# Altium PCB 20bit_40MS_ADC_DIOT_iso.PcbDoc (part 1 of 3)
Units mm, origin at the board's own origin, x right, y up, seen from the top; angles counter-clockwise.
Board outline 222.37 x 100 mm, 2 copper layers (Top Layer, Bottom Layer); 563 components, 368 nets, 2039 pads, 82 vias.
Unrouted connection lines stored in the file: 1435.
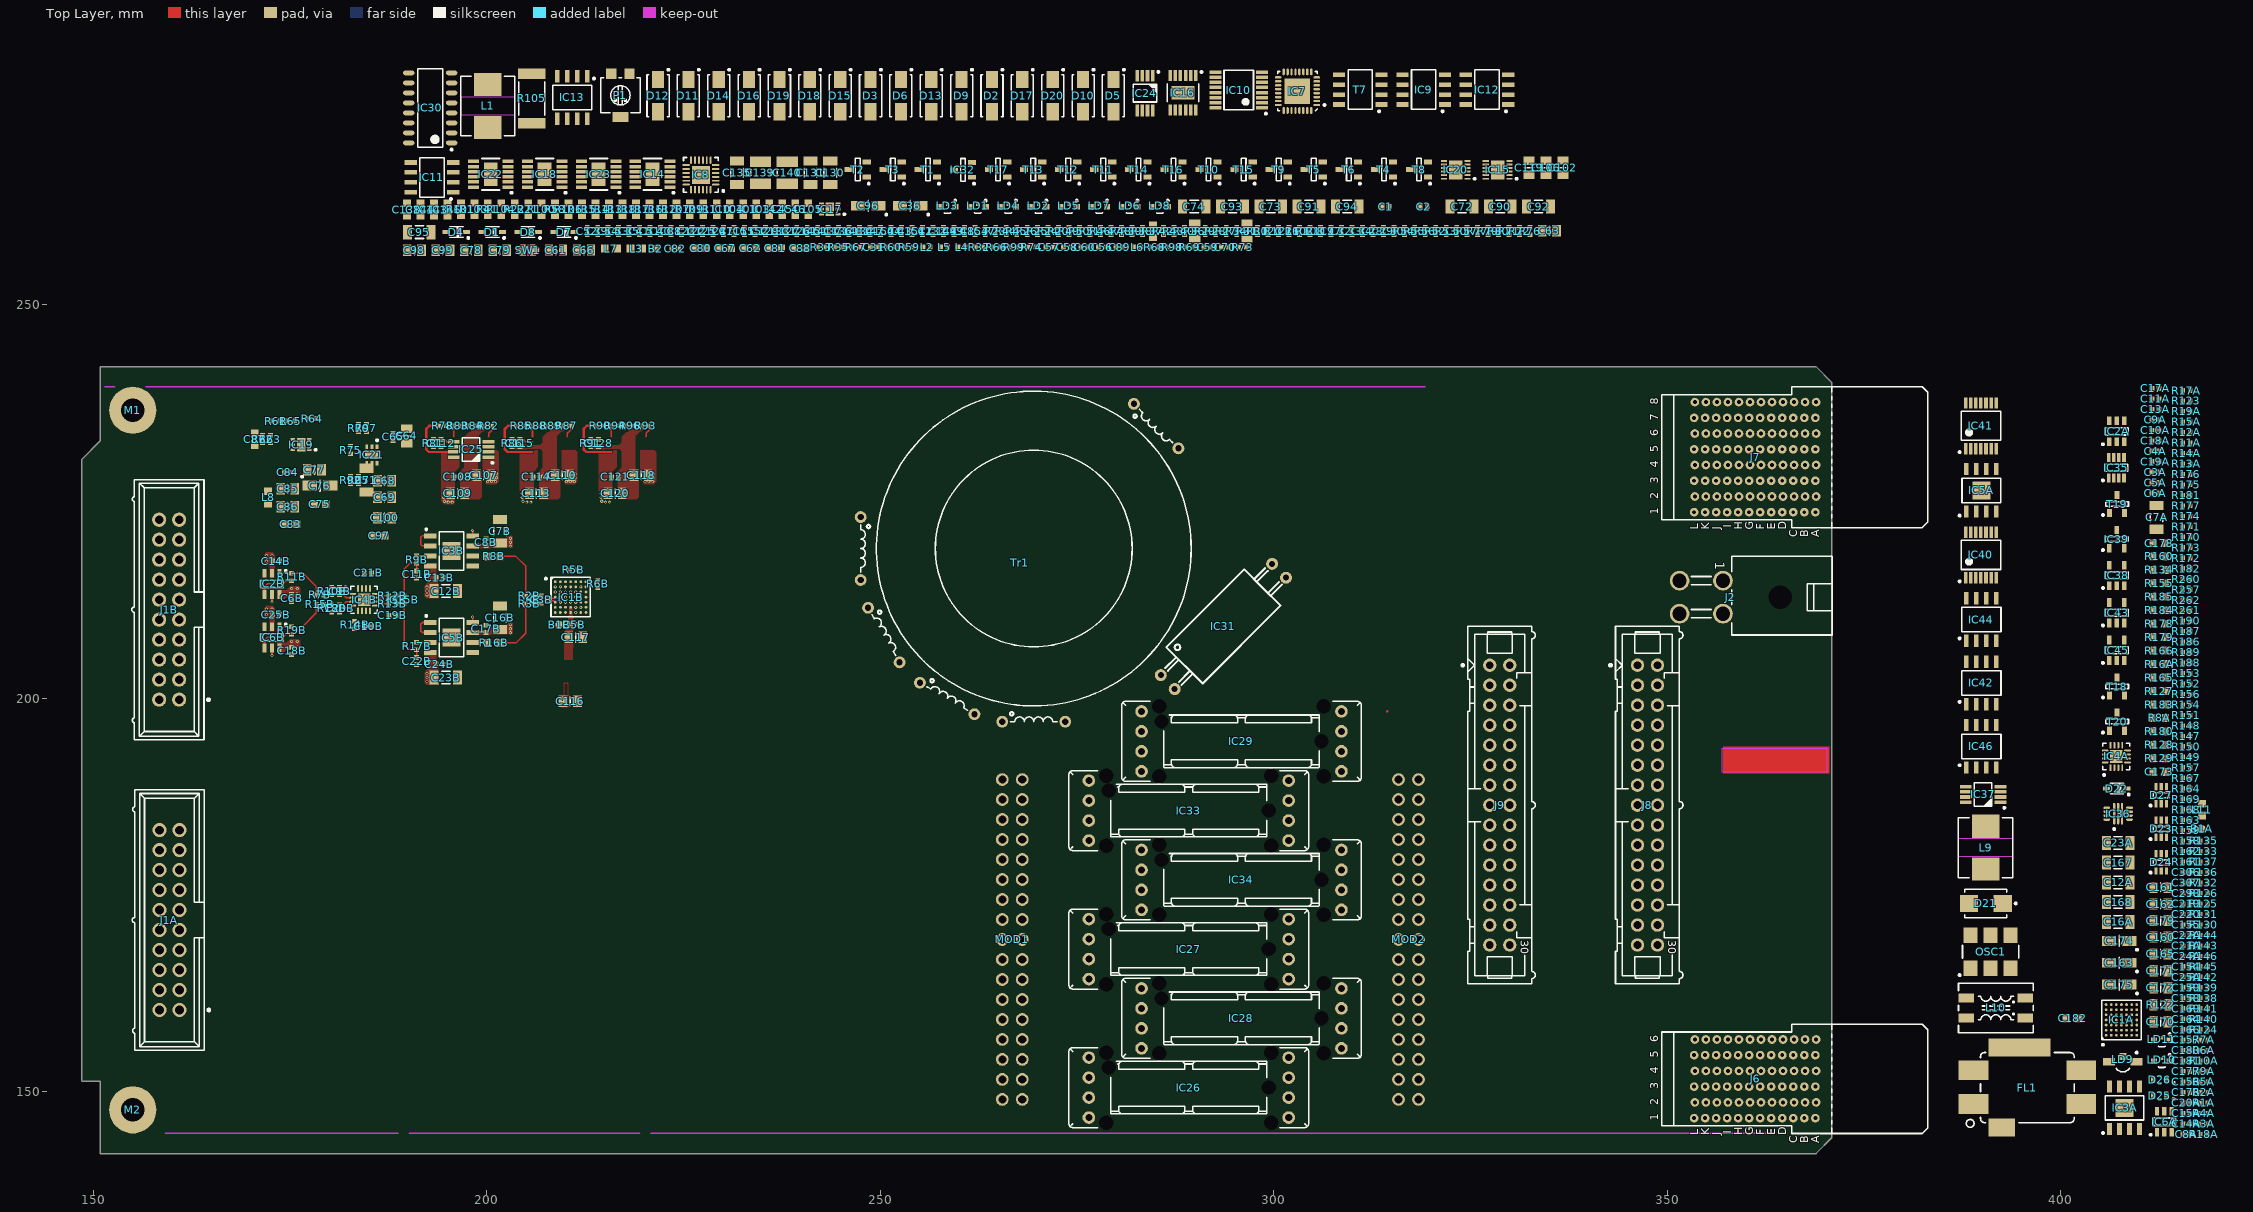
[diagram p0: Top Layer view]
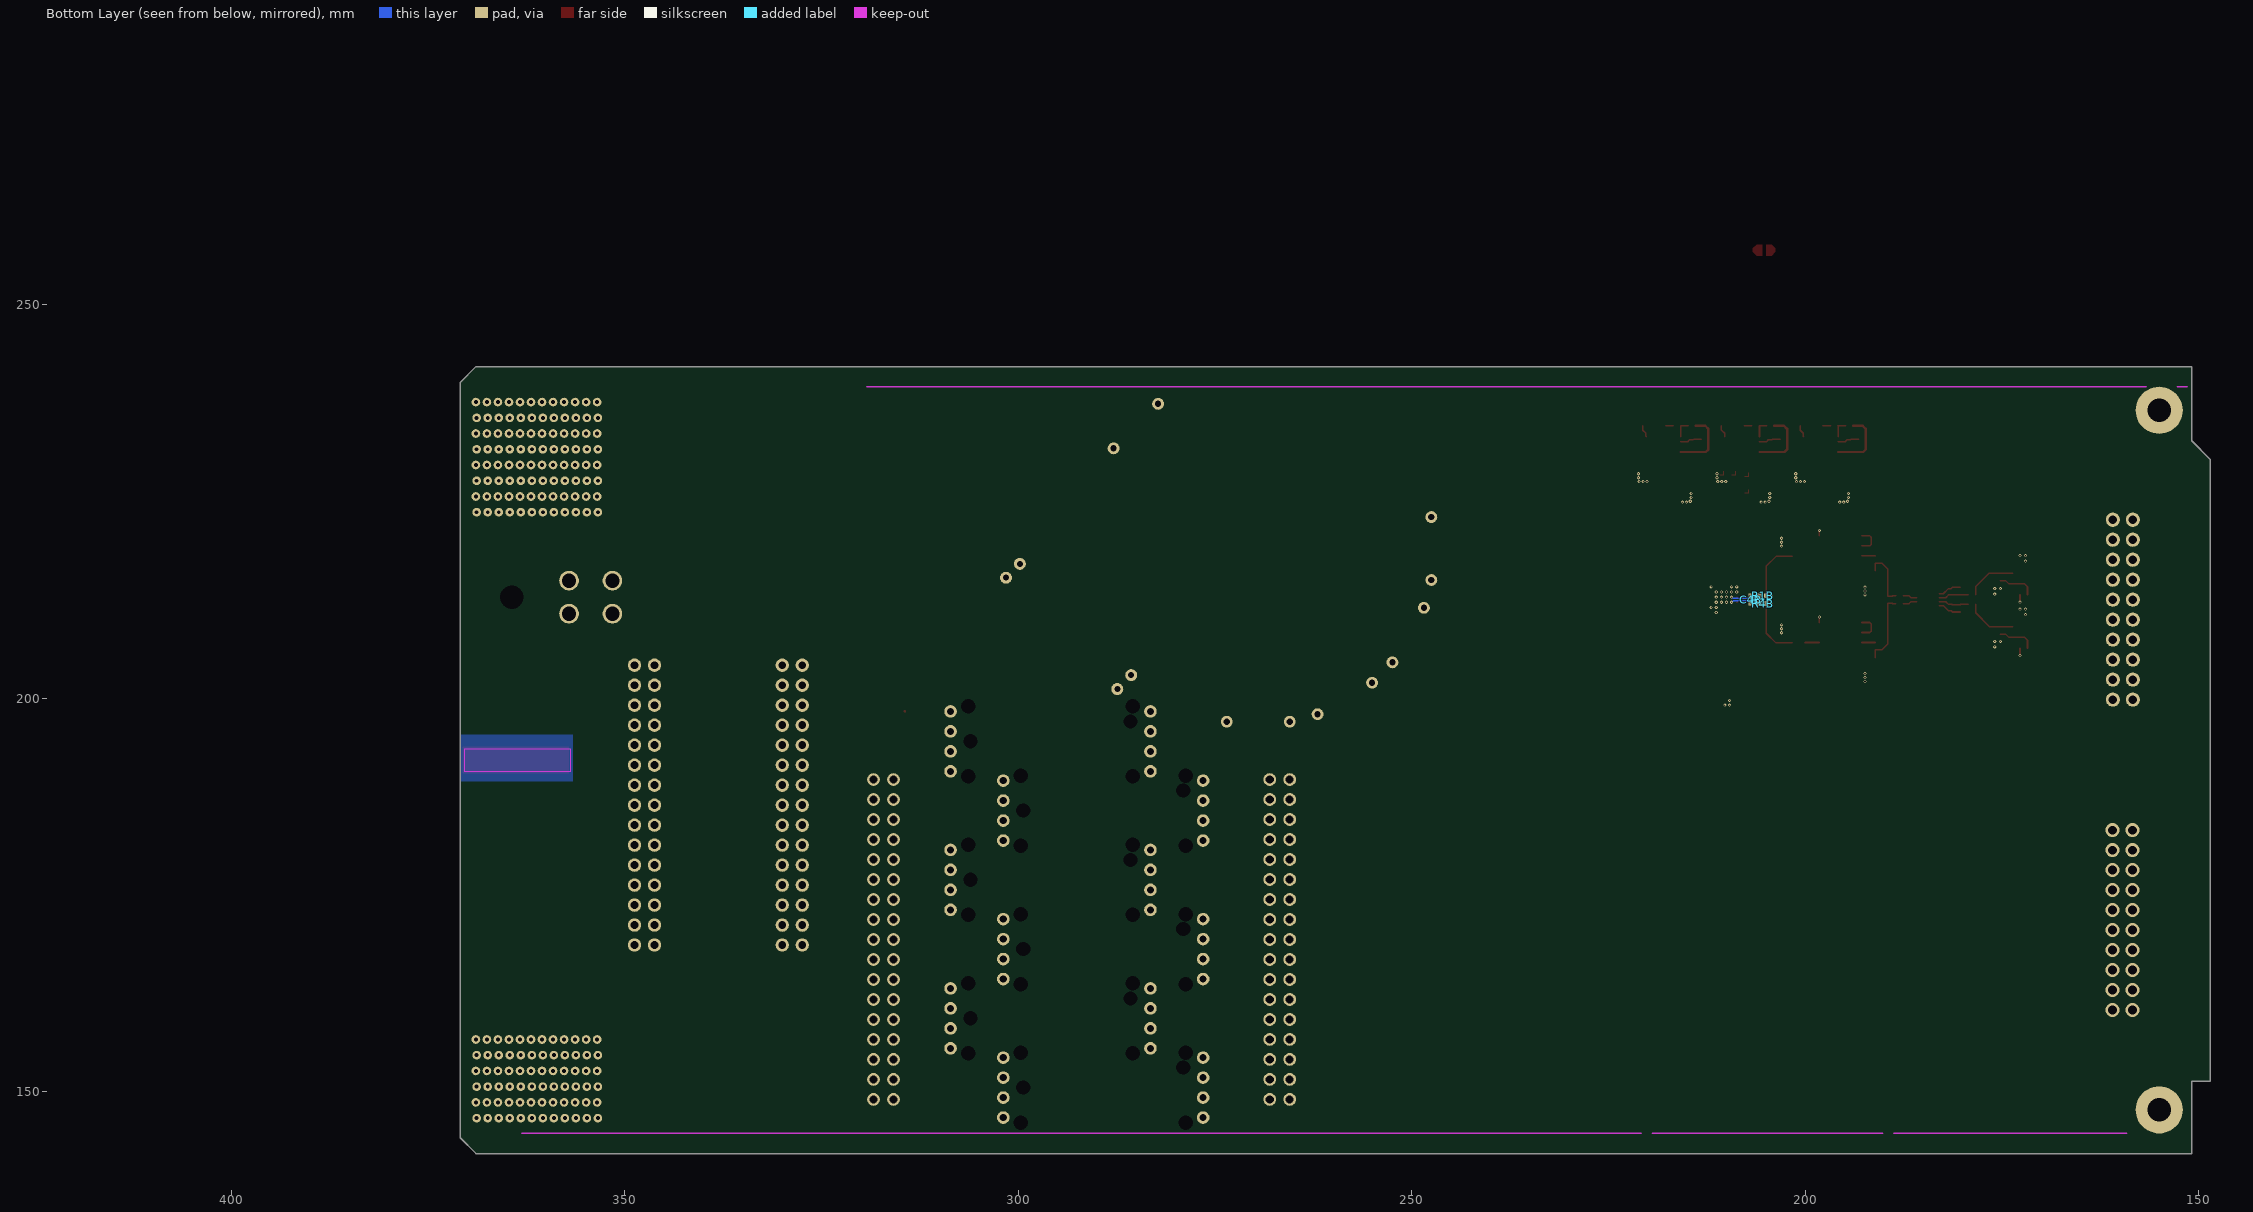
[diagram p1: Bottom Layer view, seen from below]

## Layer stack, top to bottom
Top Solder: solder mask 0.0102, Solder Resist, Dk 3.5
Top Layer: signal copper 0.0356
Dielectric 1: dielectric 0.32, FR-4, Dk 4.8
Bottom Layer: signal copper 0.0356
Bottom Solder: solder mask 0.0102, Solder Resist, Dk 3.5

## Board outline
150.876,142.113 150.876,151.313 148.546,151.313 148.546,230.358 150.876,232.688 150.876,242.113 368.915,242.113 370.915,240.113 370.915,144.113 368.915,142.113

## Design rules (kind name [scope] priority, off if disabled: settings)
Clearance [All] p1: gap=0.1 ignorepadtopadclearanceinfootprint=FALSE
DiffPairsRouting [All] p1: maxlimit=0.254 minlimit=0.125 mostfreqgap=0.125 toplayer_minwidth=0.125 toplayer_maxwidth=0.381 toplayer_prefwidth=0.125 bottomlayer_minwidth=0.125 bottomlayer_maxwidth=0.381 bottomlayer_prefwidth=0.125 maxuncoupledlength=12.7
PolygonConnect [All] p1: connectstyle=Direct reliefconductorwidth=0.254 reliefentries=4 polygonreliefangle="90 Angle" airgapwidth=0.254
RoutingVias [All] p1: holewidth=0.2 width=0.4 viastyle="Through Hole" minholewidth=0.2 minwidth=0.4 maxholewidth=0.711 maxwidth=1.27
SolderMaskExpansion [All] p1: expansion=0.102 istentingtop=FALSE
SupplyNets "Schematic Supply Nets_22" [InNet('P3V3_DAC')] p1: voltage=0.000
SupplyNets "Schematic Supply Nets_21" [InNet('P12V0_LLC')] p2: voltage=0.000
SupplyNets "Schematic Supply Nets_19" [InNet('P2V5_VREF')] p3: voltage=0.000
SupplyNets "Schematic Supply Nets_17" [InNet('P3V3')] p4: voltage=0.000
SupplyNets "Schematic Supply Nets_16" [InNet('GND_LLC')] p5: voltage=0.000
SupplyNets "Schematic Supply Nets_15" [InNet('STRIP1')] p6: voltage=0.000
SupplyNets "Schematic Supply Nets_14" [InNet('P3V0_REFB')] p7: voltage=0.000
SupplyNets "Schematic Supply Nets_13" [InNet('P12V0_EEM')] p8: voltage=0.000
SupplyNets "Schematic Supply Nets_12" [InNet('P3V0_REFA')] p9: voltage=0.000
SupplyNets "Schematic Supply Nets_7" [InNet('P3V3_MP')] p10: voltage=0.000
SupplyNets "Schematic Supply Nets_2" [InNet('P3V3_MP2')] p11: voltage=0.000
SupplyNets "Schematic Supply Nets_10" [InNet('P3V3_VCCO')] p12: voltage=0.000
SupplyNets "Schematic Supply Nets_9" [InNet('P3V3_D')] p13: voltage=0.000
SupplyNets "Schematic Supply Nets" [InNet('P5V0')] p14: voltage=0.000
SupplyNets "Schematic Supply Nets_43" [InNet('N15V0')] p15: voltage=0.000
SupplyNets "Schematic Supply Nets_41" [InNet('P18V0')] p16: voltage=0.000
SupplyNets "Schematic Supply Nets_40" [InNet('N6V0')] p17: voltage=0.000
SupplyNets "Schematic Supply Nets_39" [InNet('P15V0')] p18: voltage=0.000
SupplyNets "Schematic Supply Nets_36" [InNet('P6V0')] p19: voltage=0.000
SupplyNets "Schematic Supply Nets_34" [InNet('N18V0')] p20: voltage=0.000
SupplyNets "Schematic Supply Nets_32" [InNet('P1V1_VDD')] p21: voltage=0.000
SupplyNets "Schematic Supply Nets_31" [InNet('P3V3_ADC')] p22: voltage=0.000
SupplyNets "Schematic Supply Nets_29" [InNet('P12V0_DIOT')] p23: voltage=0.000
SupplyNets "Schematic Supply Nets_24" [InNet('GND_DIOT')] p24: voltage=0.000
SupplyNets "Schematic Supply Nets_20" [InNet('N5V0')] p25: voltage=0.000
SupplyNets "Schematic Supply Nets_11" [InNet('P3V3_CLK')] p26: voltage=0.000
SupplyNets "Schematic Supply Nets_6" [InNet('P3V3_DIOT')] p27: voltage=0.000
SupplyNets "Schematic Supply Nets_5" [InNet('GND')] p28: voltage=0.000
SupplyNets "Schematic Supply Nets_1" [InNet('P1V1_IO')] p29: voltage=0.000
Width [All] p1: maxlimit=5 minlimit=0.1 preferedwidth=0.1
29 further rules are at their usual default settings.

## Classes and differential pairs
differential pair class MGT: BP_MGT_Rx BP_MGT_Tx
differential pair class Diff_100Ohm: PE_CLK.CLK
channel class LNA: U_LNAA U_LNAB
channel class AFE: U_AFEA U_AFEB
channel class ADC: U_ADCA U_ADCB
net class SHARED_BUS_[0..4]: SHARED_BUS_0 SHARED_BUS_1 SHARED_BUS_2 SHARED_BUS_3 SHARED_BUS_4
net class PWR: NetC172_2 P12V0_DIOT P12V0_EEM
net class HPOW: P12V0_EEM
net class GA[0..3]: GA0 GA1 GA2 GA3
net class ESD_STRIP: STRIP1 STRIP2 STRIP3
net class EEM_IO.LVDS_P[0..15]: EEM_IO.LVDS_P0 EEM_IO.LVDS_P1 EEM_IO.LVDS_P2 EEM_IO.LVDS_P3 EEM_IO.LVDS_P4 EEM_IO.LVDS_P5 EEM_IO.LVDS_P6 EEM_IO.LVDS_P7 EEM_IO.LVDS_P8 EEM_IO.LVDS_P9 EEM_IO.LVDS_P10 EEM_IO.LVDS_P11 EEM_IO.LVDS_P12 EEM_IO.LVDS_P13 EEM_IO.LVDS_P14 EEM_IO.LVDS_P15
net class EEM_IO.LVDS_N[0..15]: EEM_IO.LVDS_N0 EEM_IO.LVDS_N1 EEM_IO.LVDS_N2 EEM_IO.LVDS_N3 EEM_IO.LVDS_N4 EEM_IO.LVDS_N5 EEM_IO.LVDS_N6 EEM_IO.LVDS_N7 EEM_IO.LVDS_N8 EEM_IO.LVDS_N9 EEM_IO.LVDS_N10 EEM_IO.LVDS_N11 EEM_IO.LVDS_N12 EEM_IO.LVDS_N13 EEM_IO.LVDS_N14 EEM_IO.LVDS_N15
net class BP_IO.LVDS_P[0..15]: BP_IO.LVDS_P0 BP_IO.LVDS_P1 BP_IO.LVDS_P2 BP_IO.LVDS_P3 BP_IO.LVDS_P4 BP_IO.LVDS_P5 BP_IO.LVDS_P6 BP_IO.LVDS_P7 BP_IO.LVDS_P8 BP_IO.LVDS_P9 BP_IO.LVDS_P10 BP_IO.LVDS_P11 BP_IO.LVDS_P12 BP_IO.LVDS_P13 BP_IO.LVDS_P14 BP_IO.LVDS_P15
net class BP_IO.LVDS_N[0..15]: BP_IO.LVDS_N0 BP_IO.LVDS_N1 BP_IO.LVDS_N2 BP_IO.LVDS_N3 BP_IO.LVDS_N4 BP_IO.LVDS_N5 BP_IO.LVDS_N6 BP_IO.LVDS_N7 BP_IO.LVDS_N8 BP_IO.LVDS_N9 BP_IO.LVDS_N10 BP_IO.LVDS_N11 BP_IO.LVDS_N12 BP_IO.LVDS_N13 BP_IO.LVDS_N14 BP_IO.LVDS_N15
component class U_LNAA: J1A
component class U_AFEA: C6A C7A C8A C9A C10A C11A C12A C13A C14A C15A C16A C17A C18A C19A C20A C21A C22A C23A C24A C25A IC2A IC3A IC4A IC5A IC6A R7A R8A R9A R10A R11A R12A R13A R14A R15A R16A R17A R18A R19A
component class U_ADCA: B1A C3A C4A C5A IC1A R1A R2A R3A R4A R5A R6A
component class EEM_Connectors: C219 C220 C298 C306 C307 D27 IC40 IC43 IC44 IC45 IC46 J8 J9 R143 R144 R145 R146 R147 R148 R149 R150 R151 R152 R156 R157 R158 R159 R161 R162 R163 R164 R167 R168 R169 R170 R171 R172 R173 R174 R175 R176 R177 R186 R187 R188 R189 R190 R257 R260 R261 R262
component class CPCIS_Connectors_P1_P6: C1 C179 C180 C181 C182 D23 D24 D25 D26 IC41 IC42 J6 J7 R37 R130 R131 R133 R136 R138 R153 R154 R155 R160 R165 R166 R178 R179 R180 R181 R182 R183 R184 R185 T1 T2 T19 T20
component class U_Data_Interface: C56 C57 C58 C59 C60 IC9 IC10 IC11 IC12 IC13 R25 R26 R27 R28 R29
net class D100: AD9508_CLK_N AD9508_CLK_P AD9508_OUT0_N AD9508_OUT0_P AD9508_OUT1_N AD9508_OUT1_P AD9508_OUT2_N AD9508_OUT2_P AD9508_OUT3_N AD9508_OUT3_P ADC_DAA_N ADC_DAA_P ADC_DAB_N ADC_DAB_P ADC_DBA_N ADC_DBA_P ADC_DBB_N ADC_DBB_P ADF4350_OUTA_N ADF4350_OUTA_P ADF4350_OUTB_N ADF4350_OUTB_P BP_IO.LVDS_N0 BP_IO.LVDS_N1 BP_IO.LVDS_N2 BP_IO.LVDS_N3 BP_IO.LVDS_N4 BP_IO.LVDS_N5 BP_IO.LVDS_N6 BP_IO.LVDS_N7 BP_IO.LVDS_N8 BP_IO.LVDS_N9 BP_IO.LVDS_N10 BP_IO.LVDS_N11 BP_IO.LVDS_N12 BP_IO.LVDS_N13 BP_IO.LVDS_N14 BP_IO.LVDS_N15 BP_IO.LVDS_P0 BP_IO.LVDS_P1 BP_IO.LVDS_P2 BP_IO.LVDS_P3 BP_IO.LVDS_P4 BP_IO.LVDS_P5 BP_IO.LVDS_P6 BP_IO.LVDS_P7 BP_IO.LVDS_P8 BP_IO.LVDS_P9 BP_IO.LVDS_P10 BP_IO.LVDS_P11 BP_IO.LVDS_P12 BP_IO.LVDS_P13 BP_IO.LVDS_P14 BP_IO.LVDS_P15 DIOT_CLK_N DIOT_CLK_P EEM_IO.LVDS_N0 EEM_IO.LVDS_N1 EEM_IO.LVDS_N2 EEM_IO.LVDS_N3 EEM_IO.LVDS_N4 EEM_IO.LVDS_N5 EEM_IO.LVDS_N6 EEM_IO.LVDS_N7 EEM_IO.LVDS_N8 EEM_IO.LVDS_N9 EEM_IO.LVDS_N10 EEM_IO.LVDS_N11 EEM_IO.LVDS_N12 EEM_IO.LVDS_N13 EEM_IO.LVDS_N14 EEM_IO.LVDS_N15 EEM_IO.LVDS_P0 EEM_IO.LVDS_P1 EEM_IO.LVDS_P2 EEM_IO.LVDS_P3 EEM_IO.LVDS_P4 EEM_IO.LVDS_P5 EEM_IO.LVDS_P6 EEM_IO.LVDS_P7 EEM_IO.LVDS_P8 EEM_IO.LVDS_P9 EEM_IO.LVDS_P10 EEM_IO.LVDS_P11 EEM_IO.LVDS_P12 EEM_IO.LVDS_P13 EEM_IO.LVDS_P14 EEM_IO.LVDS_P15
net class ADC_IN: ADC_AUXINA_N ADC_AUXINA_P ADC_AUXINB_N ADC_AUXINB_P ADC_INA_N ADC_INA_P ADC_INB_N ADC_INB_P ADCINA_N ADCINA_P ADCINB_N ADCINB_P
component class U_PLL: B2 C26 C27 C28 C29 C30 C31 C32 C33 C34 C35 C36 C37 C38 C39 C40 C41 C42 C43 C44 C45 C46 C47 C48 C49 C50 C51 C52 C53 C54 C55 C82 C154 C155 C156 C157 IC7 IC8 IC35 L2 L3 L4 L5 L6 OSC1 R20 R21 R22 R23 R24 R30 R123 R124 R125 R126
component class U_LNAB: J1B
component class U_Isolated_Power_supply: C61 C62 C63 C64 C65 C66 C67 C68 C69 C70 C71 C72 C73 C74 C75 C76 C77 C78 C79 C80 C81 C83 C84 C85 C86 C87 C88 C89 C90 C91 C92 C93 C94 C95 C96 C97 C98 C99 C100 C101 C102 C103 C104 C105 C106 C107 C108 C109 C110 C111 C112 C113 C114 C115 C116 C130 C131 C132 C135 C136 C137 C138 C139 C140 C141 C142 C143 C144 C145 C146 C158 C159 C160 C161 C162 C163 C164 C165 C166 C167 C168 C169 C170 C171 C172 C173 C174 C175 C176 C177 C178 D1 D2 D3 D4 D5 D6 D7 D8 D9 D10 D11 D12 D13 D14 D15 D16 D17 D18 D19 D20 D21 D22 FL1 IC14 IC15 IC16 IC17 IC18 IC19 IC20 IC21 IC22 IC23 IC24 IC25 IC30 IC31 IC32 IC36 IC37 IC38 IC39 J2 L1 L7 L8 L9 L10 L11 LD1 LD2 LD3 LD4 LD5 LD6 LD7 LD8 LD9 LD10 LD11 P1 R32 R33 R34 R35 R38 R39 R40 R41 R42 R43 R44 R45 R46 R47 R48 R49 R50 R51 R52 R53 R54 R55 R56 R57 R58 R59 R60 R61 R62 R63 R64 R65 R66 R67 R68 R69 R70 R71 R72 R73 R74 R75 R76 R77 R78 R100 R101 R102 R103 R104 R105 R106 R107 R108 R109 R110 R111 R112 R113 R114 R115 R116 R117 R118 R127 R128 R129 R132 R134 R135 R137 R139 R140 R141 R142 SW1 T3 T4 T5 T6 T7 T8 T9 T10 T11 T18 Tr1
component class U_AFEB: C6B C7B C8B C9B C10B C11B C12B C13B C14B C15B C16B C17B C18B C19B C20B C21B C22B C23B C24B C25B IC2B IC3B IC4B IC5B IC6B R7B R8B R9B R10B R11B R12B R13B R14B R15B R16B R17B R18B R19B
component class U_ADCB: B1B C3B C4B C5B IC1B R1B R2B R3B R4B R5B R6B
component class U_Optocouplers: C117 C118 C119 C120 C121 C122 C123 C124 C125 C126 C127 C128 C129 C133 C134 C147 C148 C149 C150 C151 C152 C153 IC26 IC27 IC28 IC29 IC33 IC34 MOD1 MOD2 R79 R80 R81 R82 R83 R84 R85 R86 R87 R88 R89 R90 R91 R92 R93 R94 R95 R96 R97 R98 R99 R119 R120 R121 T12 T13 T14 T15 T16 T17
component class ADC_40M20b: C2 M1 M2 R31 R36 R122
differential pair PE_CLK.CLK: +PE_CLK.CLK_P -PE_CLK.CLK_N
differential pair EEM_IO.LVDS15: +EEM_IO.LVDS_P15 -EEM_IO.LVDS_N15
differential pair EEM_IO.LVDS14: +EEM_IO.LVDS_P14 -EEM_IO.LVDS_N14
differential pair EEM_IO.LVDS13: +EEM_IO.LVDS_P13 -EEM_IO.LVDS_N13
differential pair EEM_IO.LVDS12: +EEM_IO.LVDS_P12 -EEM_IO.LVDS_N12
differential pair EEM_IO.LVDS11: +EEM_IO.LVDS_P11 -EEM_IO.LVDS_N11
differential pair EEM_IO.LVDS10: +EEM_IO.LVDS_P10 -EEM_IO.LVDS_N10
differential pair EEM_IO.LVDS9: +EEM_IO.LVDS_P9 -EEM_IO.LVDS_N9
differential pair EEM_IO.LVDS8: +EEM_IO.LVDS_P8 -EEM_IO.LVDS_N8
differential pair EEM_IO.LVDS7: +EEM_IO.LVDS_P7 -EEM_IO.LVDS_N7
differential pair EEM_IO.LVDS6: +EEM_IO.LVDS_P6 -EEM_IO.LVDS_N6
differential pair EEM_IO.LVDS5: +EEM_IO.LVDS_P5 -EEM_IO.LVDS_N5
differential pair EEM_IO.LVDS4: +EEM_IO.LVDS_P4 -EEM_IO.LVDS_N4
differential pair EEM_IO.LVDS3: +EEM_IO.LVDS_P3 -EEM_IO.LVDS_N3
differential pair EEM_IO.LVDS2: +EEM_IO.LVDS_P2 -EEM_IO.LVDS_N2
differential pair EEM_IO.LVDS1: +EEM_IO.LVDS_P1 -EEM_IO.LVDS_N1
differential pair EEM_IO.LVDS0: +EEM_IO.LVDS_P0 -EEM_IO.LVDS_N0
differential pair BP_MGT_Tx: +BP_MGT_Tx_P -BP_MGT_Tx_N
differential pair BP_MGT_Rx: +BP_MGT_Rx_P -BP_MGT_Rx_N
differential pair BP_IO.LVDS15: +BP_IO.LVDS_P15 -BP_IO.LVDS_N15
differential pair BP_IO.LVDS14: +BP_IO.LVDS_P14 -BP_IO.LVDS_N14
differential pair BP_IO.LVDS13: +BP_IO.LVDS_P13 -BP_IO.LVDS_N13
differential pair BP_IO.LVDS12: +BP_IO.LVDS_P12 -BP_IO.LVDS_N12
differential pair BP_IO.LVDS11: +BP_IO.LVDS_P11 -BP_IO.LVDS_N11
differential pair BP_IO.LVDS10: +BP_IO.LVDS_P10 -BP_IO.LVDS_N10
differential pair BP_IO.LVDS9: +BP_IO.LVDS_P9 -BP_IO.LVDS_N9
differential pair BP_IO.LVDS8: +BP_IO.LVDS_P8 -BP_IO.LVDS_N8
differential pair BP_IO.LVDS7: +BP_IO.LVDS_P7 -BP_IO.LVDS_N7
differential pair BP_IO.LVDS6: +BP_IO.LVDS_P6 -BP_IO.LVDS_N6
differential pair BP_IO.LVDS5: +BP_IO.LVDS_P5 -BP_IO.LVDS_N5
differential pair BP_IO.LVDS4: +BP_IO.LVDS_P4 -BP_IO.LVDS_N4
differential pair BP_IO.LVDS3: +BP_IO.LVDS_P3 -BP_IO.LVDS_N3
differential pair BP_IO.LVDS2: +BP_IO.LVDS_P2 -BP_IO.LVDS_N2
differential pair BP_IO.LVDS1: +BP_IO.LVDS_P1 -BP_IO.LVDS_N1
differential pair BP_IO.LVDS0: +BP_IO.LVDS_P0 -BP_IO.LVDS_N0
differential pair ADCINB: +ADCINB_P -ADCINB_N
differential pair ADCINA: +ADCINA_P -ADCINA_N
differential pair ADC_INB: +ADC_INB_P -ADC_INB_N
differential pair ADC_INA: +ADC_INA_P -ADC_INA_N
differential pair ADC_DBB: +ADC_DBB_P -ADC_DBB_N
differential pair ADC_DBA: +ADC_DBA_P -ADC_DBA_N
differential pair ADC_DAB: +ADC_DAB_P -ADC_DAB_N
differential pair ADC_DAA: +ADC_DAA_P -ADC_DAA_N
differential pair ADC_AUXINB: +ADC_AUXINB_P -ADC_AUXINB_N
differential pair ADC_AUXINA: +ADC_AUXINA_P -ADC_AUXINA_N
differential pair AD9508_OUT3: +AD9508_OUT3_P -AD9508_OUT3_N
differential pair AD9508_OUT2: +AD9508_OUT2_P -AD9508_OUT2_N
differential pair DIOT_CLK: +DIOT_CLK_P -DIOT_CLK_N
differential pair ADF4350_OUTB: +ADF4350_OUTB_P -ADF4350_OUTB_N
differential pair ADF4350_OUTA: +ADF4350_OUTA_P -ADF4350_OUTA_N
differential pair AD9508_OUT1: +AD9508_OUT1_P -AD9508_OUT1_N
differential pair AD9508_OUT0: +AD9508_OUT0_P -AD9508_OUT0_N
differential pair AD9508_CLK: +AD9508_CLK_P -AD9508_CLK_N

## Components (designator, comment, footprint, x,y, rotation, side; value= is the part's Value field where it differs from the comment)
B1A "SMD Pad" C100 417.943,183.36 r180 top (schematic designator B1)
B1B "SMD Pad" C100 209.2,209.325 r0 top (schematic designator B1)
B2 "SMD Pad" C100 221.456,257.11 r180 top
C1 "100nF" CAPC1005X55N 314.2,262.454 r180 top
C2 "22pF" CAPC1005X55N 319.061,262.454 r180 top
C3A "27pF" CAPC1005X55N 412.039,228.709 r180 top (schematic designator C3)
C3B "27pF" CAPC1005X55N 206.9,212.5 r90 top (schematic designator C3)
C4A "10pF" CAPC1005X55N 412.039,231.371 r180 top (schematic designator C4)
C4B "10pF" CAPC1005X55N 206.9,212.5 r90 bottom (schematic designator C4)
C5A "100nF" CAPC1005X55N 412.039,227.378 r180 top (schematic designator C5)
C5B "100nF" CAPC1005X55N 211.1,209.325 r180 top (schematic designator C5)
C6A "100nF" CAPC1005X55N 412.039,226.046 r180 top (schematic designator C6)
C6B "100nF" CAPC1005X55N 175.2,212.7 r90 top (schematic designator C6)
C7A "47uF" CAPC3216X180N 412.179,222.95 r90 top (schematic designator C7)
C7B "47uF" CAPC3216X180N 201.671,221.2 r270 top (schematic designator C7)
C8A "100nF" CAPC1005X55N 415.972,144.566 r180 top (schematic designator C8)
C8B "100nF" CAPC1005X55N 199.871,219.8 r270 top (schematic designator C8)
C9A "82pF" CAPC1005X55N 412.039,235.365 r180 top (schematic designator C9)
C9B "82pF" CAPC1005X55N 181.3,213.6 r90 top (schematic designator C9)
C10A "100nF" CAPC1005X55N 412.039,234.034 r180 top (schematic designator C10)
C10B "100nF" CAPC1005X55N 184.9,209.1 r180 top (schematic designator C10)
C11A "22pF" CAPC1005X55N 412.039,238.027 r180 top (schematic designator C11)
C11B "22pF" CAPC1005X55N 191.071,215.7 r90 top (schematic designator C11)
C12A "47uF" CAPC3216X180N 407.296,176.575 r180 top (schematic designator C12)
C12B "47uF" CAPC3216X180N 194.8,213.592 r180 top (schematic designator C12)
C13A "100nF" CAPC1005X55N 412.039,236.696 r180 top (schematic designator C13)
C13B "100nF" CAPC1005X55N 193.971,215.3 r180 top (schematic designator C13)
C14A "100nF" CAPC1005X55N 415.972,145.897 r180 top (schematic designator C14)
C14B "100nF" CAPC1005X55N 173.2,217.4 r180 top (schematic designator C14)
C15A "1nF" CAPC1005X55N 415.972,147.228 r180 top (schematic designator C15)
C15B "1nF" CAPC1005X55N 189.5,212.5 r90 top (schematic designator C15)
C16A "47uF" CAPC3216X180N 407.296,171.553 r180 top (schematic designator C16)
C16B "47uF" CAPC3216X180N 201.671,210.2 r270 top (schematic designator C16)
C17A "100nF" CAPC1005X55N 412.039,239.358 r180 top (schematic designator C17)
C17B "100nF" CAPC1005X55N 199.871,208.8 r270 top (schematic designator C17)
C18A "100nF" CAPC1005X55N 412.039,232.702 r180 top (schematic designator C18)
C18B "100nF" CAPC1005X55N 175.2,206 r90 top (schematic designator C18)
C19A "100nF" CAPC1005X55N 412.039,230.04 r180 top (schematic designator C19)
C19B "100nF" CAPC1005X55N 188,210.5 r180 top (schematic designator C19)
C20A "82pF" CAPC1005X55N 415.972,148.559 r180 top (schematic designator C20)
C20B "82pF" CAPC1005X55N 181.3,211.4 r270 top (schematic designator C20)
C21A "100nF" CAPC1005X55N 415.972,168.527 r180 top (schematic designator C21)
C21B "100nF" CAPC1005X55N 184.9,215.9 r180 top (schematic designator C21)
C22A "22pF" CAPC1005X55N 415.972,169.858 r180 top (schematic designator C22)
C22B "22pF" CAPC1005X55N 191.071,204.7 r90 top (schematic designator C22)
C23A "47uF" CAPC3216X180N 407.296,181.598 r180 top (schematic designator C23)
C23B "47uF" CAPC3216X180N 194.8,202.592 r180 top (schematic designator C23)
C24A "100nF" CAPC1005X55N 415.972,167.196 r180 top (schematic designator C24)
C24B "100nF" CAPC1005X55N 193.971,204.3 r180 top (schematic designator C24)
C25A "100nF" CAPC1005X55N 415.972,164.534 r180 top (schematic designator C25)
C25B "100nF" CAPC1005X55N 173.2,210.6 r180 top (schematic designator C25)
C26 "10nF" CAPC1005X55N 301.949,259.333 r270 top
C27 "10nF" CAPC1005X55N 307.274,259.333 r270 top
C28 "10nF" CAPC1005X55N 312.599,259.333 r270 top
C29 "10nF" CAPC1005X55N 313.93,259.333 r270 top
C30 "390pF" CAPC1005X55N 315.261,259.333 r270 top
C31 "100nF" CAPC1005X55N 249.188,257.3 r180 top
C32 "10pF" CAPC1005X55N 308.605,259.333 r270 top
C33 "100nF" CAPC1005X55N 309.936,259.333 r270 top
C34 "10pF" CAPC1005X55N 311.268,259.333 r270 top
C35 "100nF" CAPC1005X55N 218.084,259.333 r270 top
C36 "10uF" CAPMP3216X180N 253.82,262.556 r180 top
C37 "100nF" CAPC1005X55N 230.064,259.333 r270 top
C38 "100nF" CAPC1005X55N 223.408,259.333 r270 top
C39 "100nF" CAPC1005X55N 214.09,259.333 r270 top
C40 "470nF" CAPC1005X55N 222.077,259.333 r270 top
C41 "470nF" CAPC1005X55N 219.415,259.333 r270 top
C42 "10pF" CAPC1005X55N 255.357,259.333 r270 top
C43 "100nF" CAPC1005X55N 252.695,259.333 r270 top
C44 "10pF" CAPC1005X55N 251.364,259.333 r270 top
C45 "1nF" CAPC1608X90N 237.544,262.129 r270 top
C46 "1nF" CAPC1608X90N 239.205,262.129 r270 top
C47 "27nF" CAPC1005X55N 263.344,259.333 r270 top
C48 "100nF" CAPC1005X55N 260.682,259.333 r270 top
C49 "10pF" CAPC1005X55N 259.351,259.333 r270 top
C50 "100nF" CAPC1005X55N 323.248,259.333 r270 top
C51 "10pF" CAPC1005X55N 220.746,259.333 r270 top
C52 "100nF" CAPC1005X55N 212.759,259.333 r270 top
C53 "10pF" CAPC1005X55N 216.752,259.333 r270 top
C54 "100nF" CAPC1005X55N 215.421,259.333 r270 top
C55 "10pF" CAPC1005X55N 232.727,259.333 r270 top
C56 "100nF" CAPC1005X55N 278.194,257.3 r180 top
C57 "100nF" CAPC1005X55N 271.5,257.3 r180 top
C58 "100nF" CAPC1005X55N 273.732,257.3 r180 top
C59 "100nF" CAPC1005X55N 291.581,257.3 r180 top
C60 "100nF" CAPC1005X55N 275.963,257.3 r180 top
C61 "22uF" CAPC2012X135N 208.787,256.91 r180 top
C62 "4.7uF" CAPC1608X90N 233.476,257.135 r180 top
C63 "10uF" CAPC2012X95N 335.038,259.368 r180 top
C64 "10uF" CAPC2012X95N 189.8,233.3 r270 top
C65 "10nF" CAPC1005X55N 188.1,233.2 r270 top
C66 "22uF" CAPC2012X135N 212.348,256.91 r180 top
C67 "4.7uF" CAPC1608X90N 230.315,257.135 r180 top
C68 "10uF" CAPC2012X95N 187,227.6 r0 top
C69 "10uF" CAPC2012X95N 187,225.5 r0 top
C70 "10nF" CAPC1005X55N 293.812,257.3 r180 top
C71 "47uF" CAPC3216X180N 184.7,227.7 r90 top
C72 "47uF" CAPC3216X180N 323.922,262.454 r180 top
C73 "47uF" CAPC3216X180N 299.616,262.454 r180 top
C74 "47uF" CAPC3216X180N 289.894,262.454 r180 top